# Altium PCB PicoPrint-Alt1.PcbDoc (part 1 of 3) (continued)
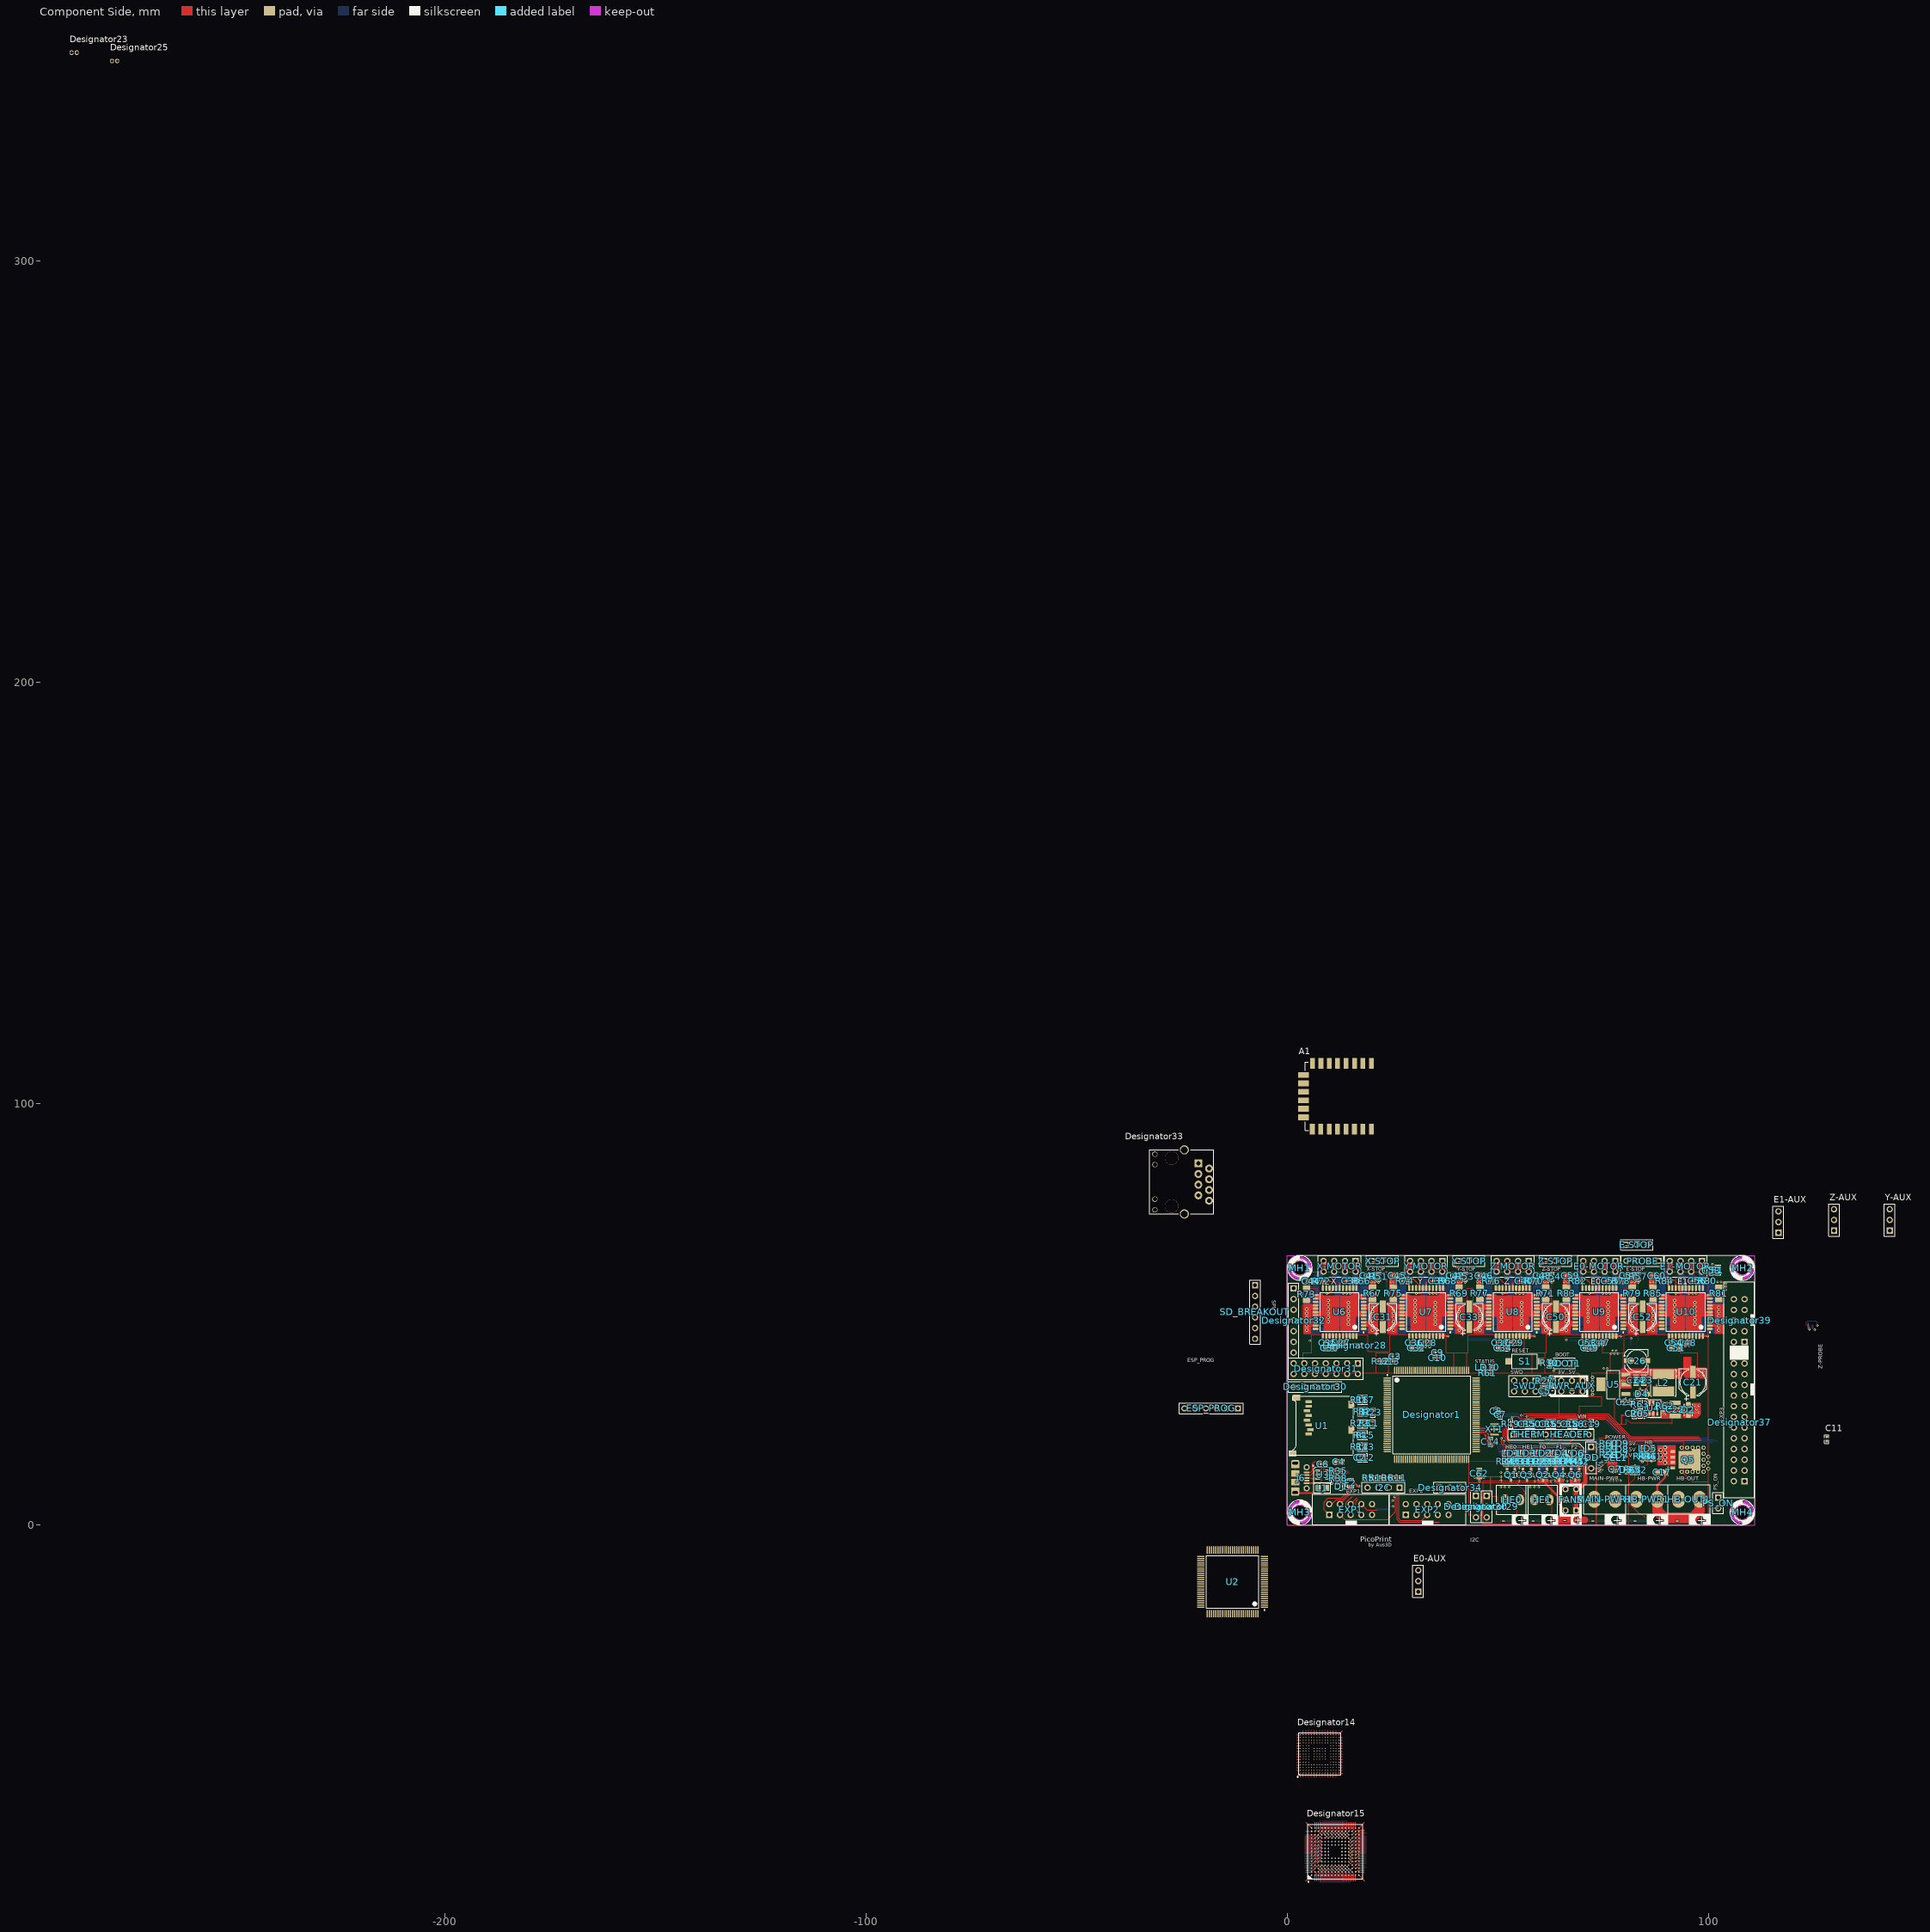
[diagram p0: Component Side view]
## Footprints (in the part's own frame and the unit in brackets; to place one, negate y for a bottom-side part, rotate by r counter-clockwise, add the part's x,y. Pads: shape width x height; smd on the part's side, far side on the other; paste and mask are expansions set on the pad)
"CAP 1005-0402" [mm] "Chip Capacitor, Body 1.0x0.5mm, EIA 0402, IPC Medium Density"
  round 0.2 on Mech15: 0(0,0)
  rrect20% 0.6x0.5 smd: 1(-0.5,0) 2(0.5,0)
  Component Side pour cut-out: -0.325,0.375 -0.2,0.5 0.2,0.5 0.325,0.375 0.325,-0.375 0.2,-0.5 -0.2,-0.5 -0.325,-0.375
  silkscreen extent -1.05,-0.5 1.05,0.5, body extent -0.52,-0.27 0.53,0.28, height 0.55
"Cap 1608-0603" [mm]
  rect 1.1x1 smd: 1(-0.85,0) 2(0.85,0)
  silkscreen extent -1.55,-0.65 1.55,0.65, body extent -0.8,-0.4 0.8,0.4, height 0.4
"CAP 3225-1210" [mm] "Chip Capacitor, Body 3.2x2.5mm, EIA 1210, IPC Medium Density"
  round 0.508 on Mech15: 0(0,0)
  rrect25% 1.15x2.7 smd: 1(-1.5,0) 2(1.5,0)
  silkscreen extent -0.4,-1.3 0.4,1.3, body extent -1.8,-1.4 1.8,1.4, height 2.19
"CAP EL 5mm" [mm]
  rect 1.3x2.5 smd: 1(0,1.88) 2(0,-1.905)
  silkscreen extent -2.72,-2.72 2.72,3.16, body extent -2.75,-3.25 2.75,3.25, height 5.5
"CAP EL PANASONIC" [mil]
  rect 55x118 smd: 1(0,190.97) 2(0,1.97)
  silkscreen extent -128,-31 127,271, body extent -134,-57 134,250, height 217
CAPC2012X135N [mm] "Chip Capacitor, Body 2.0x1.2mm, EIA 0805, IPC Medium Density"
  round 0.254 on Mech15: 0(0,0)
  rrect25% 1x1.4 smd: 1(-0.9,0) 2(0.9,0)
  Component Side pour cut-out: -0.675,0.7 -0.475,0.9 0.475,0.9 0.675,0.7 0.675,-0.7 0.475,-0.9 -0.475,-0.9 -0.675,-0.7
  silkscreen extent -0.15,-0.65 0.15,0.65, body extent -1.1,-0.72 1.1,0.73, height 1.34
"CERALOCK CSTCE_G" [mm]
  rect 0.4x2 smd: 1(-1.2,0) 2(0,0) 3(1.2,0)
  body extent -1.6,-0.65 1.6,0.65, height 0.7
DIOM2616X08N [mm] "Molded Diode, 2-Leads, Body 2.60x1.60mm, IPC Medium Density"
  rrect50% 1.5x1.2 smd: A(1.1,0) K(-1.1,0)
  silkscreen extent -1.4,-1.11 1.4,0.95, body extent -1.35,-0.85 1.35,0.85, height 0.85
"ESP8266 ESP-12-E-SMD" [mil] "ESP8266 ESP-12-E"
  rect 100x45 smd: 1(-653,646) 2(-653,568) 3(-653,489) 4(-653,411) 5(-653,331) 6(-653,253) 7(-653,175) 8(-653,96) 15(-38,95) 16(-38,174) 17(-38,252) 18(-39,331) 19(-39,410) 20(-39,488) 21(-39,568) 22(-39,646)
  rect 55x100 smd: 9(-543,14) 10(-465,14) 11(-387,14) 12(-307,14) 13(-229,14) 14(-149,14)
  silkscreen extent -665,30 -25,60, body extent -658,29 -28,973, height 86
HDR1X2-HEADER [mm]
  rect 1.5x1.5 hole 0.9: 1(0,0)
  round 1.5 hole 0.9: 2(2.54,0)
  silkscreen extent -1.27,-1.27 3.81,1.27, body extent -1.27,-1.27 3.81,1.27, height 8.6
HDR1X3-HEADER [mm]
  rect 1.5x1.5 hole 0.9: 1(0,0)
  round 1.5 hole 0.9: 2(2.54,0) 3(5.08,0)
  silkscreen extent -1.27,-1.27 6.35,1.27, body extent -1.27,-1.27 6.35,1.27, height 8.6
HDR1X4-HEADER [mm]
  rect 1.5x1.5 hole 0.9: 1(0,0)
  round 1.5 hole 0.9: 2(2.54,0) 3(5.08,0) 4(7.62,0)
  silkscreen extent -1.27,-1.27 8.89,1.27, body extent -1.27,-1.27 8.89,1.27, height 8.6
HDR1X5-HEADER [mm]
  rect 1.5x1.5 hole 0.9: 1(0,0)
  round 1.5 hole 0.9: 2(2.54,0) 3(5.08,0) 4(7.62,0) 5(10.16,0)
  silkscreen extent -1.27,-1.27 11.43,1.27, body extent -1.27,-1.27 11.43,1.27, height 8.6
HDR1X6-HEADER [mm]
  rect 1.5x1.5 hole 0.9: 1(0,0)
  round 1.5 hole 0.9: 2(2.54,0) 3(5.08,0) 4(7.62,0) 5(10.16,0) 6(12.7,0)
  silkscreen extent -1.27,-1.27 13.97,1.27, body extent -1.27,-1.27 13.97,1.27, height 8.6
HDR1X7-HEADER [mm]
  rect 1.5x1.5 hole 0.9: 1(0,0)
  round 1.5 hole 0.9: 2(2.54,0) 3(5.08,0) 4(7.62,0) 5(10.16,0) 6(12.7,0) 7(15.24,0)
  silkscreen extent -1.27,-1.27 16.51,1.27, body extent -1.27,-1.27 16.51,1.27, height 8.6
HDR1X8-HEADER [mm]
  rect 1.5x1.5 hole 0.9: 1(0,0)
  round 1.5 hole 0.9: 2(2.54,0) 3(5.08,0) 4(7.62,0) 5(10.16,0) 6(12.7,0) 7(15.24,0) 8(17.78,0)
  silkscreen extent -1.27,-1.27 19.05,1.27, body extent -1.27,-1.27 19.05,1.27, height 8.6
HDR2X3-Header [mm]
  rect 1.5x1.5 hole 0.9: 1(0,0)
  round 1.5 hole 0.9: 2(0,2.54) 3(2.54,0) 4(2.54,2.54) 5(5.08,0) 6(5.08,2.54)
  silkscreen extent -1.27,-1.27 6.35,3.81, body extent -1.27,-1.27 6.35,3.81, height 8.6
HDR2X4-HEADER [mm]
  rect 1.5x1.5 hole 0.9: 1(0,0)
  round 1.5 hole 0.9: 2(0,2.54) 3(2.54,0) 4(2.54,2.54) 5(5.08,0) 6(5.08,2.54) 7(7.62,0) 8(7.62,2.54)
  silkscreen extent -1.27,-1.27 8.89,3.81, body extent -1.27,-1.27 8.89,3.81, height 8.6
"HDR2X5_exp Iner only\" [mm]
  rect 1.5x1.5 hole 0.9: 1(4.004,2.302)
  round 1.5 hole 0.9: 2(4.004,4.842) 3(6.544,2.302) 4(6.544,4.842) 5(9.084,2.302) 6(9.084,4.842) 7(11.624,2.302) 8(11.624,4.842) 9(14.164,2.302) 10(14.164,4.842)
  silkscreen extent 0.09,0.01 18.29,7.21, body extent 2.73,1.03 15.43,6.11, height 8.6
HDR2X7 [mm]
  rect 1.5x1.5 hole 0.9: 1(0,0)
  round 1.5 hole 0.9: 2(0,2.54) 3(2.54,0) 4(2.54,2.54) 5(5.08,0) 6(5.08,2.54) 7(7.62,0) 8(7.62,2.54) 9(10.16,0) 10(10.16,2.54) 11(12.7,0) 12(12.7,2.54) 13(15.24,0) 14(15.24,2.54)
  silkscreen extent -1.27,-1.27 16.51,3.81, body extent -1.27,-1.27 16.51,3.81, height 8.6
HDR2X12-HEADER [mm]
  rect 1.5x1.5 hole 0.9: 1(0,0)
  round 1.5 hole 0.9: 2(0,2.54) 3(2.54,0) 4(2.54,2.54) 5(5.08,0) 6(5.08,2.54) 7(7.62,0) 8(7.62,2.54) 9(10.16,0) 10(10.16,2.54) 11(12.7,0) 12(12.7,2.54) 13(15.24,0) 14(15.24,2.54) 15(17.78,0) 16(17.78,2.54) 17(20.32,0) 18(20.32,2.54) 19(22.86,0) 20(22.86,2.54) 21(25.4,0) 22(25.4,2.54) 23(27.94,0) 24(27.94,2.54)
  silkscreen extent -3.92,-2.29 30.48,4.91, body extent -1.27,-1.27 29.21,3.81, height 8.6
HEADER-1x2-50mil [mm]
  oct 0.9x1.1 hole 0.66: 1(302.26,-308.61) 2(303.53,-308.61)
  body extent 301.63,-309.81 304.17,-307.41, height 5
HEADER-1x3-50mil [mm]
  oct 0.9x1.1 hole 0.66: 1(-1.27,0) 2(0,0) 3(1.27,0)
  body extent -1.9,-1.2 1.91,1.2, height 5
JUMPER-3-NO [mm]
  rect 0.5x1 smd: 1(-0.7,0) 2(0,0) 3(0.7,0)
JUMPER-3-NO-BIG [mm]
  rect 1x1 smd: 1(-1.2,0) 2(0,0) 3(1.2,0)
"LED 1608-0603" [mm]
  round 0.254 on Mech15: 0(0,0)
  rrect25% 0.8x0.8 smd: 1(-0.85,0) 2(0.85,0)
  Component Side pour cut-out: -0.5,0.5 0.5,0.5 0.5,-0.5 -0.5,-0.5
  silkscreen extent -1.55,-0.68 1.68,0.68, body extent -0.8,-0.4 0.8,0.4, height 0.75
LFPACK [mm]
  rect 0.7x1.15 smd: 1(3.81,0) 3(0,0) 3(1.27,0) 3(2.54,0)
  round 1 hole 0.5: 2(-0.953,7.302) 2(-0.953,6.007) 2(-0.953,4.711) 2(-0.953,3.416) 2(-0.953,2.12) 2(0.476,7.302) 2(1.905,7.302) 2(3.333,7.302) 2(4.762,6.007) 2(4.762,7.302) 2(4.762,2.12) 2(4.762,3.416) 2(4.762,4.711)
  rect 4.2x3.2 smd: 2(1.905,3)
  rect 5x2 smd: 2(1.93,5.588)
  body extent -0.58,-0.33 4.42,6.14, height 1.1
M3-Hole-2 [mm]
  round 3.6 hole 3.2: M3(0,0)
  silkscreen extent -2.9,-2.93 2.9,2.93
MAGJACK [mil]
  round 126 hole 126: 1(75,437) 1(525,437)
  rect 74x74 hole 40: 1(125,687)
  round 74 hole 40: 2(175,787) 3(225,687) 4(275,787) 5(325,687) 6(375,787) 7(425,687) 8(475,787)
  round 50 hole 40: 9(40,280) 10(138,280) 11(461,280) 12(560,280)
  round 86 hole 63: M1(0,556) M2(599,556)
  silkscreen extent 0,233 600,831
MICRO-SD [mil]
  rect 28x60 smd: 1(-95,168.9) 2(-52,153.15) 3(-8,168.9) 4(35,184.65) 5(78,168.9) 6(122,184.65) 7(165,168.9) 8(208,168.9)
  rect 71x56 smd: CD1(181,-232.68) CD2(-55,-232.68)
  rect 56x75 smd: MT1(244,283.07) MT2(-276,318.5)
  silkscreen extent -292,-248 260,346, body extent -298,-268 258,331, height 79
"Micro-USB B Molex 105017-0001" [mm]
  round 1.45 hole 0.85: 4(-2.5,0) 5(2.5,0)
  rect 1.5x1.9 smd: 6(-1,-2.7) 7(1,-2.7) SHIELD(-3.05,-2.7) SHIELD(3.05,-2.7)
  rect 0.4x1.35 smd: D+(0,0) D-(-0.65,0) GND(1.3,0) ID(0.65,0) VBUS(-1.3,0)
  rrect50% 1.5x1.9 hole 0.6 slot 1.3 at 90 deg paste+0: SHIELD(-3.5,-2.7) SHIELD(3.5,-2.7)
  body extent -4.1,-5.25 4.1,0.15, height 2.68
OSHW-LOGO-S [mm]
  silkscreen extent -1.49,-1.18 1.5,1.5
"PowerPAK SC-70" [mm]
  rect 0.3x0.35 smd: 1(-0.65,0.925) 1(-0.65,-0.925) 1(0,0.925) 1(0,-0.925) 3(0.65,-0.925) 4(0.65,0.925)
  rect 0.95x1.5 smd: 1(-0.325,0)
  rect 0.235x0.87 smd: 4(0.67,0.04)
  silkscreen extent -1.1,-1.4 -0.5,-0.8, body extent -1.02,-1.02 1.03,1.03, height 0.75
"PTC Fuse1608-0603" [mm]
  rect 0.6x1 smd: 1(-0.7,0) 2(0.7,0)
  silkscreen extent -1.2,-0.67 1.2,0.67, body extent -0.82,-0.42 0.83,0.43, height 0.48
"Res 2012-0805" [mm]
  rect 1.3x1.5 smd: 1(-0.95,0) 2(0.95,0)
  silkscreen extent -2,-1.15 2,1.15, body extent -1,-0.63 1,0.63, height 1.5
"Res 3216-1206" [mm] "Chip Resistor, Body 3.2x1.6mm, EIA 1206, IPC Medium Density"
  round 0.508 on Mech15: 0(0,0)
  rrect25% 1.3x1.8 smd: 1(-1.45,0) 2(1.45,0)
  silkscreen extent -0.51,-0.89 0.51,0.89, body extent -1.62,-0.82 1.63,0.83, height 0.69
RESC1005X40N [mm] "Chip Resistor, Body 1.0x0.5mm, EIA 0402, IPC Medium Density"
  round 0.2 on Mech15: 0(0,0)
  rrect20% 0.6x0.6 smd: 1(-0.5,0) 2(0.5,0)
  Component Side pour cut-out: -0.325,0.375 -0.2,0.5 0.2,0.5 0.325,0.375 0.325,-0.375 0.2,-0.5 -0.2,-0.5 -0.325,-0.375
  silkscreen extent -1.05,-0.55 1.05,0.55, body extent -0.52,-0.27 0.53,0.28, height 0.4
SC-85 [mm] "SMini3-F2-B"
  round 0.508 on Mech15: 0(0,0)
  rrect50% 0.6x0.8 smd: 1(-0.65,-0.95) 2(0.65,-0.95) 3(0,0.95)
  silkscreen extent -1,-0.4 1,0.4, body extent -1,-0.7 1,0.7, height 0.9
SOD523 [mm] "SOD-523; 2 Leads; Body 1.2 x 0.8 mm, (LxW)"
  round 0.508 on Mech15: 0(0,0)
  rrect20% 0.6x0.8 smd: A(0.85,0) K(-0.85,0)
  Component Side pour cut-out: -0.725,-0.25 -0.725,0.25 -0.525,0.45 0.525,0.45 0.725,0.25 0.725,-0.25 0.525,-0.45 -0.525,-0.45
  silkscreen extent -0.25,-0.51 0.45,0.51, body extent -0.85,-0.45 0.85,0.45, height 0.7
"SOT23-3 New" [mm] "SOT23, 3 pin"
  round 0.5 on Mech15: 0(0,0)
  rrect25% 1x0.6 smd: 1(-1.15,0.95) 2(-1.15,-0.95) 3(1.15,0)
  silkscreen extent -0.38,-1.45 0.38,1.45, body extent -1.4,-1.45 1.4,1.45, height 1.29
SOT23-6N [mm]
  rect 1.15x0.6 smd: 1(-1.175,0.95) 2(-1.175,0) 3(-1.175,-0.95) 4(1.175,-0.95) 5(1.2,0) 6(1.2,0.95)
  silkscreen extent -2.37,-1.82 2.1,2.25, body extent -0.85,-1.5 0.85,1.5, height 1.45
SOT229P700X180-4N [mm] "SOT223, 4-Leads, Body 6.50x7.00mm (avg), Pitch 2.29mm, IPC Medium Density"
  rect 2.15x0.9 smd: GND(-2.925,2.29) Vin(-2.925,-2.29) Vout(-2.925,0)
  rect 2.15x3.25 smd: Vout(2.925,0)
  silkscreen extent -3.05,-3.35 1.55,3.41, body extent -3.5,-3.35 3.5,3.35, height 1.8
"SRN6045TA SMD Inductor" [mm]
  rect 5.1x2.35 smd: 1(0,2.075) 2(0,-2.075)
  silkscreen extent -3.05,-3.15 3.05,3.15, body extent -3,-3 3,3, height 4.25
STM-LQFP100_N [mm] "Thin QFP, 100-Leads, Body 14x14mm, Pitch 0.5mm, IPC Medium Density"
  oval 1.8x0.3 smd: 1(-7.55,6) 2(-7.55,5.5) 3(-7.55,5) 4(-7.55,4.5) 5(-7.55,4) 6(-7.55,3.5) 7(-7.55,3) 8(-7.55,2.5) 9(-7.55,2) 10(-7.55,1.5) 11(-7.55,1) 12(-7.55,0.5) 13(-7.55,0) 14(-7.55,-0.5) 15(-7.55,-1) 16(-7.55,-1.5) 17(-7.55,-2) 18(-7.55,-2.5) 19(-7.55,-3) 20(-7.55,-3.5) 21(-7.55,-4) 22(-7.55,-4.5) 23(-7.55,-5) 24(-7.55,-5.5) 25(-7.55,-6) 51(7.55,-6) 52(7.55,-5.5) 53(7.55,-5) 54(7.55,-4.5) 55(7.55,-4) 56(7.55,-3.5) 57(7.55,-3) 58(7.55,-2.5) 59(7.55,-2) 60(7.55,-1.5) 61(7.55,-1) 62(7.55,-0.5) 63(7.55,0) 64(7.55,0.5) 65(7.55,1) 66(7.55,1.5) 67(7.55,2) 68(7.55,2.5) 69(7.55,3) 70(7.55,3.5) 71(7.55,4) 72(7.55,4.5) 73(7.55,5) 74(7.55,5.5) 75(7.55,6)
  oval 0.3x1.8 smd: 26(-6,-7.55) 27(-5.5,-7.55) 28(-5,-7.55) 29(-4.5,-7.55) 30(-4,-7.55) 31(-3.5,-7.55) 32(-3,-7.55) 33(-2.5,-7.55) 34(-2,-7.55) 35(-1.5,-7.55) 36(-1,-7.55) 37(-0.5,-7.55) 38(0,-7.55) 39(0.5,-7.55) 40(1,-7.55) 41(1.5,-7.55) 42(2,-7.55) 43(2.5,-7.55) 44(3,-7.55) 45(3.5,-7.55) 46(4,-7.55) 47(4.5,-7.55) 48(5,-7.55) 49(5.5,-7.55) 50(6,-7.55) 76(6,7.55) 77(5.5,7.55) 78(5,7.55) 79(4.5,7.55) 80(4,7.55) 81(3.5,7.55) 82(3,7.55) 83(2.5,7.55) 84(2,7.55) 85(1.5,7.55) 86(1,7.55) 87(0.5,7.55) 88(0,7.55) 89(-0.5,7.55) 90(-1,7.55) 91(-1.5,7.55) 92(-2,7.55) 93(-2.5,7.55) 94(-3,7.55) 95(-3.5,7.55) 96(-4,7.55) 97(-4.5,7.55) 98(-5,7.55) 99(-5.5,7.55) 100(-6,7.55)
  silkscreen extent -7.68,-6.25 6.25,6.82, body extent -7.98,-8.03 8.02,7.97, height 1.11
STM-LQFP144_N [mm] "Thin QFP, 144-Leads, Body 20x20mm, Pitch 0.5mm, IPC Medium Density"
  oval 1.8x0.3 smd: 1(-10.55,8.75) 2(-10.55,8.25) 3(-10.55,7.75) 4(-10.55,7.25) 5(-10.55,6.75) 6(-10.55,6.25) 7(-10.55,5.75) 8(-10.55,5.25) 9(-10.55,4.75) 10(-10.55,4.25) 11(-10.55,3.75) 12(-10.55,3.25) 13(-10.55,2.75) 14(-10.55,2.25) 15(-10.55,1.75) 16(-10.55,1.25) 17(-10.55,0.75) 18(-10.55,0.25) 19(-10.55,-0.25) 20(-10.55,-0.75) 21(-10.55,-1.25) 22(-10.55,-1.75) 23(-10.55,-2.25) 24(-10.55,-2.75) 25(-10.55,-3.25) 26(-10.55,-3.75) 27(-10.55,-4.25) 28(-10.55,-4.75) 29(-10.55,-5.25) 30(-10.55,-5.75) 31(-10.55,-6.25) 32(-10.55,-6.75) 33(-10.55,-7.25) 34(-10.55,-7.75) 35(-10.55,-8.25) 36(-10.55,-8.75) 73(10.55,-8.75) 74(10.55,-8.25) 75(10.55,-7.75) 76(10.55,-7.25) 77(10.55,-6.75) 78(10.55,-6.25) 79(10.55,-5.75) 80(10.55,-5.25) 81(10.55,-4.75) 82(10.55,-4.25) 83(10.55,-3.75) 84(10.55,-3.25) 85(10.55,-2.75) 86(10.55,-2.25) 87(10.55,-1.75) 88(10.55,-1.25) 89(10.55,-0.75) 90(10.55,-0.25) 91(10.55,0.25) 92(10.55,0.75) 93(10.55,1.25) 94(10.55,1.75) 95(10.55,2.25) 96(10.55,2.75) 97(10.55,3.25) 98(10.55,3.75) 99(10.55,4.25) 100(10.55,4.75) 101(10.55,5.25) 102(10.55,5.75) 103(10.55,6.25) 104(10.55,6.75) 105(10.55,7.25) 106(10.55,7.75) 107(10.55,8.25) 108(10.55,8.75)
  oval 0.3x1.8 smd: 37(-8.75,-10.55) 38(-8.25,-10.55) 39(-7.75,-10.55) 40(-7.25,-10.55) 41(-6.75,-10.55) 42(-6.25,-10.55) 43(-5.75,-10.55) 44(-5.25,-10.55) 45(-4.75,-10.55) 46(-4.25,-10.55) 47(-3.75,-10.55) 48(-3.25,-10.55) 49(-2.75,-10.55) 50(-2.25,-10.55) 51(-1.75,-10.55) 52(-1.25,-10.55) 53(-0.75,-10.55) 54(-0.25,-10.55) 55(0.25,-10.55) 56(0.75,-10.55) 57(1.25,-10.55) 58(1.75,-10.55) 59(2.25,-10.55) 60(2.75,-10.55) 61(3.25,-10.55) 62(3.75,-10.55) 63(4.25,-10.55) 64(4.75,-10.55) 65(5.25,-10.55) 66(5.75,-10.55) 67(6.25,-10.55) 68(6.75,-10.55) 69(7.25,-10.55) 70(7.75,-10.55) 71(8.25,-10.55) 72(8.75,-10.55) 109(8.75,10.55) 110(8.25,10.55) 111(7.75,10.55) 112(7.25,10.55) 113(6.75,10.55) 114(6.25,10.55) 115(5.75,10.55) 116(5.25,10.55) 117(4.75,10.55) 118(4.25,10.55) 119(3.75,10.55) 120(3.25,10.55) 121(2.75,10.55) 122(2.25,10.55) 123(1.75,10.55) 124(1.25,10.55) 125(0.75,10.55) 126(0.25,10.55) 127(-0.25,10.55) 128(-0.75,10.55) 129(-1.25,10.55) 130(-1.75,10.55) 131(-2.25,10.55) 132(-2.75,10.55) 133(-3.25,10.55) 134(-3.75,10.55) 135(-4.25,10.55) 136(-4.75,10.55) 137(-5.25,10.55) 138(-5.75,10.55) 139(-6.25,10.55) 140(-6.75,10.55) 141(-7.25,10.55) 142(-7.75,10.55) 143(-8.25,10.55) 144(-8.75,10.55)
  silkscreen extent -10.67,-9.25 9.25,9.57, body extent -10,-10 10,10, height 1.6
STM-TFBGA216 [mm] "BGA, 216-Balls, Body 13x13mm, Pitch 0.8mm"
  round 0.35 smd: A1(-5.6,5.6) A2(-4.8,5.6) A3(-4,5.6) A4(-3.2,5.6) A5(-2.4,5.6) A6(-1.6,5.6) A7(-0.8,5.6) A8(0,5.6) A9(0.8,5.6) A10(1.6,5.6) A11(2.4,5.6) A12(3.2,5.6) A13(4,5.6) A14(4.8,5.6) A15(5.6,5.6) B1(-5.6,4.8) B2(-4.8,4.8) B3(-4,4.8) B4(-3.2,4.8) B5(-2.4,4.8) B6(-1.6,4.8) B7(-0.8,4.8) B8(0,4.8) B9(0.8,4.8) B10(1.6,4.8) B11(2.4,4.8) B12(3.2,4.8) B13(4,4.8) B14(4.8,4.8) B15(5.6,4.8) C1(-5.6,4) C2(-4.8,4) C3(-4,4) C4(-3.2,4) C5(-2.4,4) C6(-1.6,4) C7(-0.8,4) C8(0,4) C9(0.8,4) C10(1.6,4) C11(2.4,4) C12(3.2,4) C13(4,4) C14(4.8,4) C15(5.6,4) D1(-5.6,3.2) D2(-4.8,3.2) D3(-4,3.2) D4(-3.2,3.2) D5(-2.4,3.2) D6(-1.6,3.2) D7(-0.8,3.2) D8(0,3.2) D9(0.8,3.2) D10(1.6,3.2) D11(2.4,3.2) D12(3.2,3.2) D13(4,3.2) D14(4.8,3.2) D15(5.6,3.2) E1(-5.6,2.4) E2(-4.8,2.4) E3(-4,2.4) E4(-3.2,2.4) E5(-2.4,2.4) E6(-1.6,2.4) E7(-0.8,2.4) E8(0,2.4) E9(0.8,2.4) E10(1.6,2.4) E11(2.4,2.4) E12(3.2,2.4) E13(4,2.4) E14(4.8,2.4) E15(5.6,2.4) F1(-5.6,1.6) F2(-4.8,1.6) F3(-4,1.6) F4(-3.2,1.6) F5(-2.4,1.6) F6(-1.6,1.6) F7(-0.8,1.6) F8(0,1.6) F9(0.8,1.6) F10(1.6,1.6) F11(2.4,1.6) F12(3.2,1.6) F13(4,1.6) F14(4.8,1.6) F15(5.6,1.6) G1(-5.6,0.8) G2(-4.8,0.8) G3(-4,0.8) G4(-3.2,0.8) G5(-2.4,0.8) G6(-1.6,0.8) G10(1.6,0.8) G11(2.4,0.8) G12(3.2,0.8) G13(4,0.8) G14(4.8,0.8) G15(5.6,0.8) H1(-5.6,0) H2(-4.8,0) H3(-4,0) H4(-3.2,0) H5(-2.4,0) H6(-1.6,0) H10(1.6,0) H11(2.4,0) H12(3.2,0) H13(4,0) H14(4.8,0) H15(5.6,0) J1(-5.6,-0.8) J2(-4.8,-0.8) J3(-4,-0.8) J4(-3.2,-0.8) J5(-2.4,-0.8) J6(-1.6,-0.8) J10(1.6,-0.8) J11(2.4,-0.8) J12(3.2,-0.8) J13(4,-0.8) J14(4.8,-0.8) J15(5.6,-0.8) K1(-5.6,-1.6) K2(-4.8,-1.6) K3(-4,-1.6) K4(-3.2,-1.6) K5(-2.4,-1.6) K6(-1.6,-1.6) K7(-0.8,-1.6) K8(0,-1.6) K9(0.8,-1.6) K10(1.6,-1.6) K11(2.4,-1.6) K12(3.2,-1.6) K13(4,-1.6) K14(4.8,-1.6) K15(5.6,-1.6) L1(-5.6,-2.4) L2(-4.8,-2.4) L3(-4,-2.4) L4(-3.2,-2.4) L5(-2.4,-2.4) L6(-1.6,-2.4) L7(-0.8,-2.4) L8(0,-2.4) L9(0.8,-2.4) L10(1.6,-2.4) L11(2.4,-2.4) L12(3.2,-2.4) L13(4,-2.4) L14(4.8,-2.4) L15(5.6,-2.4) M1(-5.6,-3.2) M2(-4.8,-3.2) M3(-4,-3.2) M4(-3.2,-3.2) M5(-2.4,-3.2) M6(-1.6,-3.2) M7(-0.8,-3.2) M8(0,-3.2) M9(0.8,-3.2) M10(1.6,-3.2) M11(2.4,-3.2) M12(3.2,-3.2) M13(4,-3.2) M14(4.8,-3.2) M15(5.6,-3.2) N1(-5.6,-4) N2(-4.8,-4) N3(-4,-4) N4(-3.2,-4) N5(-2.4,-4) N6(-1.6,-4) N7(-0.8,-4) N8(0,-4) N9(0.8,-4) N10(1.6,-4) N11(2.4,-4) N12(3.2,-4) N13(4,-4) N14(4.8,-4) N15(5.6,-4) P1(-5.6,-4.8) P2(-4.8,-4.8) P3(-4,-4.8) P4(-3.2,-4.8) P5(-2.4,-4.8) P6(-1.6,-4.8) P7(-0.8,-4.8) P8(0,-4.8) P9(0.8,-4.8) P10(1.6,-4.8) P11(2.4,-4.8) P12(3.2,-4.8) P13(4,-4.8) P14(4.8,-4.8) P15(5.6,-4.8) R1(-5.6,-5.6) R2(-4.8,-5.6) R3(-4,-5.6) R4(-3.2,-5.6) R5(-2.4,-5.6) R6(-1.6,-5.6) R7(-0.8,-5.6) R8(0,-5.6) R9(0.8,-5.6) R10(1.6,-5.6) R11(2.4,-5.6) R12(3.2,-5.6) R13(4,-5.6) R14(4.8,-5.6) R15(5.6,-5.6)
  silkscreen extent -7.27,-6.5 6.5,6.5, body extent -6.5,-6.5 6.5,6.5, height 1.1
STM-UFBGA176+25 [mm] "BGA, 201-Balls, Body 10x10mm, Pitch 0.65mm"
  round 0.2 smd: A1(-4.55,4.55) A2(-3.9,4.55) A3(-3.25,4.55) A4(-2.6,4.55) A5(-1.95,4.55) A6(-1.3,4.55) A7(-0.65,4.55) A8(0,4.55) A9(0.65,4.55) A10(1.3,4.55) A11(1.95,4.55) A12(2.6,4.55) A13(3.25,4.55) A14(3.9,4.55) A15(4.55,4.55) B1(-4.55,3.9) B2(-3.9,3.9) B3(-3.25,3.9) B4(-2.6,3.9) B5(-1.95,3.9) B6(-1.3,3.9) B7(-0.65,3.9) B8(0,3.9) B9(0.65,3.9) B10(1.3,3.9) B11(1.95,3.9) B12(2.6,3.9) B13(3.25,3.9) B14(3.9,3.9) B15(4.55,3.9) C1(-4.55,3.25) C2(-3.9,3.25) C3(-3.25,3.25) C4(-2.6,3.25) C5(-1.95,3.25) C6(-1.3,3.25) C7(-0.65,3.25) C8(0,3.25) C9(0.65,3.25) C10(1.3,3.25) C11(1.95,3.25) C12(2.6,3.25) C13(3.25,3.25) C14(3.9,3.25) C15(4.55,3.25) D1(-4.55,2.6) D2(-3.9,2.6) D3(-3.25,2.6) D4(-2.6,2.6) D5(-1.95,2.6) D6(-1.3,2.6) D7(-0.65,2.6) D8(0,2.6) D9(0.65,2.6) D10(1.3,2.6) D11(1.95,2.6) D12(2.6,2.6) D13(3.25,2.6) D14(3.9,2.6) D15(4.55,2.6) E1(-4.55,1.95) E2(-3.9,1.95) E3(-3.25,1.95) E4(-2.6,1.95) E12(2.6,1.95) E13(3.25,1.95) E14(3.9,1.95) E15(4.55,1.95) F1(-4.55,1.3) F2(-3.9,1.3) F3(-3.25,1.3) F4(-2.6,1.3) F6(-1.3,1.3) F7(-0.65,1.3) F8(0,1.3) F9(0.65,1.3) F10(1.3,1.3) F12(2.6,1.3) F13(3.25,1.3) F14(3.9,1.3) F15(4.55,1.3) G1(-4.55,0.65) G2(-3.9,0.65) G3(-3.25,0.65) G4(-2.6,0.65) G6(-1.3,0.65) G7(-0.65,0.65) G8(0,0.65) G9(0.65,0.65) G10(1.3,0.65) G12(2.6,0.65) G13(3.25,0.65) G14(3.9,0.65) G15(4.55,0.65) H1(-4.55,0) H2(-3.9,0) H3(-3.25,0) H4(-2.6,0) H6(-1.3,0) H7(-0.65,0) H8(0,0) H9(0.65,0) H10(1.3,0) H12(2.6,0) H13(3.25,0) H14(3.9,0) H15(4.55,0) J1(-4.55,-0.65) J2(-3.9,-0.65) J3(-3.25,-0.65) J4(-2.6,-0.65) J6(-1.3,-0.65) J7(-0.65,-0.65) J8(0,-0.65) J9(0.65,-0.65) J10(1.3,-0.65) J12(2.6,-0.65) J13(3.25,-0.65) J14(3.9,-0.65) J15(4.55,-0.65) K1(-4.55,-1.3) K2(-3.9,-1.3) K3(-3.25,-1.3) K4(-2.6,-1.3) K6(-1.3,-1.3) K7(-0.65,-1.3) K8(0,-1.3) K9(0.65,-1.3) K10(1.3,-1.3) K12(2.6,-1.3) K13(3.25,-1.3) K14(3.9,-1.3) K15(4.55,-1.3) L1(-4.55,-1.95) L2(-3.9,-1.95) L3(-3.25,-1.95) L4(-2.6,-1.95) L12(2.6,-1.95) L13(3.25,-1.95) L14(3.9,-1.95) L15(4.55,-1.95) M1(-4.55,-2.6) M2(-3.9,-2.6) M3(-3.25,-2.6) M4(-2.6,-2.6) M5(-1.95,-2.6) M6(-1.3,-2.6) M7(-0.65,-2.6) M8(0,-2.6) M9(0.65,-2.6) M10(1.3,-2.6) M11(1.95,-2.6) M12(2.6,-2.6) M13(3.25,-2.6) M14(3.9,-2.6) M15(4.55,-2.6) N1(-4.55,-3.25) N2(-3.9,-3.25) N3(-3.25,-3.25) N4(-2.6,-3.25) N5(-1.95,-3.25) N6(-1.3,-3.25) N7(-0.65,-3.25) N8(0,-3.25) N9(0.65,-3.25) N10(1.3,-3.25) N11(1.95,-3.25) N12(2.6,-3.25) N13(3.25,-3.25) N14(3.9,-3.25) N15(4.55,-3.25) P1(-4.55,-3.9) P2(-3.9,-3.9) P3(-3.25,-3.9) P4(-2.6,-3.9) P5(-1.95,-3.9) P6(-1.3,-3.9) P7(-0.65,-3.9) P8(0,-3.9) P9(0.65,-3.9) P10(1.3,-3.9) P11(1.95,-3.9) P12(2.6,-3.9) P13(3.25,-3.9) P14(3.9,-3.9) P15(4.55,-3.9) R1(-4.55,-4.55) R2(-3.9,-4.55) R3(-3.25,-4.55) R4(-2.6,-4.55) R5(-1.95,-4.55) R6(-1.3,-4.55) R7(-0.65,-4.55) R8(0,-4.55) R9(0.65,-4.55) R10(1.3,-4.55) R11(1.95,-4.55) R12(2.6,-4.55) R13(3.25,-4.55) R14(3.9,-4.55) R15(4.55,-4.55)
  silkscreen extent -5.55,-5 5,5.32, body extent -5,-5 5,5, height 0.6
"SW-PB SMD 2pin" [mm]
  rect 1.5x1.5 smd: 1(-3.85,0) 2(3.85,0)
  silkscreen extent -3,-1.75 3,1.75
"TERM2 3.5mm" [mm]
  oval 2x2.6 hole 1: 1(0,0) 2(3.5,0)
  silkscreen extent -2,-3.5 5.5,3.5, body extent -1.8,-3.79 5.31,3.5, height 8.51
"TERM2 5MM" [mm]
  oval 3x4 hole 1.2: 1(0,0) 2(5,0)
  silkscreen extent -2.5,-3.5 7.5,3.5, body extent -2.8,-5 7.5,5.2, height 14.3
TQFP80P1200X1200X160-44N [mm] "TQFP, 44-Leads, Body 10.00x10.00mm, Pitch 0.80mm, IPC Medium Density"
  oval 1.4x0.55 smd: 1(-5.7,4) 2(-5.7,3.2) 3(-5.7,2.4) 4(-5.7,1.6) 5(-5.7,0.8) 6(-5.7,0) 7(-5.7,-0.8) 8(-5.7,-1.6) 9(-5.7,-2.4) 10(-5.7,-3.2) 11(-5.7,-4) 23(5.7,-4) 24(5.7,-3.2) 25(5.7,-2.4) 26(5.7,-1.6) 27(5.7,-0.8) 28(5.7,0) 29(5.7,0.8) 30(5.7,1.6) 31(5.7,2.4) 32(5.7,3.2) 33(5.7,4)
  oval 0.55x1.4 smd: 12(-4,-5.7) 13(-3.2,-5.7) 14(-2.4,-5.7) 15(-1.6,-5.7) 16(-0.8,-5.7) 17(0,-5.7) 18(0.8,-5.7) 19(1.6,-5.7) 20(2.4,-5.7) 21(3.2,-5.7) 22(4,-5.7) 34(4,5.7) 35(3.2,5.7) 36(2.4,5.7) 37(1.6,5.7) 38(0.8,5.7) 39(0,5.7) 40(-0.8,5.7) 41(-1.6,5.7) 42(-2.4,5.7) 43(-3.2,5.7) 44(-4,5.7)
  silkscreen extent -5.82,-4.6 4.6,4.95, body extent -6,-6 6,6, height 1.1

## Part data
BOOT1 PS_ON: "Header, 2-Pin"
C1 C2 C3 C4 C5 C6 C7 C8 C9 C10 C11 C12 C13 C14 C15 C16 C17 C18 C19 C20 C22 C23 C24 C25 C27 C28 C29 C30 C32 C34 C35 C36 C37 C38 C39 C40 C41 C42 C43 C44 C45 C46 C47 C48 C49 C51 C53 C54 C55 C56 C57 C58 C59 C60 C62: "Capacitor (Semiconductor SIM Model)"
C21 C26 C31 C33 C50 C52: "Polarized Capacitor (Surface Mount)"
D1 D2 D3 D4: "Default Diode"
E0-AUX E1-AUX E-STOP FAN_VDD_SEL1 X-STOP Y-AUX Y-STOP Z-AUX Z-STOP: "Header, 3-Pin"
E0-MOTOR E1-MOTOR X-MOTOR Y-MOTOR Z-MOTOR: "Header, 4-Pin, Dual row"
ESP_PROG SD_BREAKOUT: library part "Header 6x1", "Header, 6-Pin"
EXP1 EXP2: "Header, 5-Pin, Dual row"
F1 F2: library part "Fuse - 15V 200mA Trip PTC SMD 0603", "Fuse - 15V 200mA Trip PTC SMD 0603"
FANS: library part "Header 3x2_MULTI", "Header, 6-Pin"
HB-OUT1 HB-PWR1 MAIN-PWR1: library part ScrewTerminal-5mm-2Way
HE0 HE1: library part ScrewTerminal-3.5mm-2Way
I2C PROBE: "Header, 4-Pin"
J1 J2 J9: library part JUMP3-NO, "SMD jumper"
L1 L2: "MagneticCore Inductor with Winding Polarity Marking"
LD1 LD2 LD3 LD4 LD5 LD6 LD7 LD8 LD9: library part "LEDG  0603", "Hyper-Bright LED"
LD10: library part "LEDY  0603", "Hyper-Bright LED"
PWR_AUX SWD: "Header, 3-Pin, Dual row"
Q1 Q2 Q3 Q4 Q6: "N-CH MOSFET 30V 5.7A SOT23"
Q5: library part "MOSFET - PSMN1R8-40YLC", "N-CH MOSFET 40V 100A LFPAK"
Q7: library part "MOSFET - SIA453EDJ-T1-GE3", "MOSFET SMD P-CH 30V 24A PowerPAK SC-70-6"
R1 R2 R3 R4 R5 R6 R10 R11 R12 R13 R14 R15 R16 R17 R21 R22 R23 R24 R25 R26 R27 R28 R29 R30 R31 R32 R33 R34 R35 R36 R37 R38 R41 R42 R43 R44 R45 R46 R49 R50 R51 R52 R53 R54 R55 R56 R57 R58 R59 R60 R61 R62 R63 R64 R65 R66 R67 R68 R69 R70 R71 R72 R73 R74 R75 R76 R77 R78 R79 R80 R81 R82 R83 R84 R85: "Resistor"
S1: library part SW-PB, "SMD Button"
THERM_HEADER: library part "Header 8x1_MULTI", "Header, 8-Pin"
U1: "MicroSD Card Socket"
U2: "ARM Cortex-M4 32-bit MCU+FPU, 210 DMIPS, 512 kB Flash, 128 kB Internal RAM, 81 I/Os, 100-pin LQFP, -40 to 105 degC, Tray"
U3: "ESD Protection IC"
U4: library part "Regulator - AOZ1282CI Buck Regulator", "Buck Regulator"
U5: library part "Regulator - AP2114 3.3V Linear Regulator", "3.3V LDO Regulator"
U6 U7 U8 U9 U10: "Stepper Driver IC"
XT1: "Ceramic Resonator"

## Via types
v1: diameter 0.6, hole 0.3, Component Side to Solder Side, tented both sides, 208 vias
v2: diameter 0.8, hole 0.4, Component Side to Solder Side, tented both sides, 130 vias
v3: diameter 0.4, hole 0.2, Component Side to Solder Side, 72 vias
v4: diameter 1, hole 0.5, Component Side to Solder Side, tented both sides, 10 vias

## Nets (pads, with @x,y where several pads share a name; then routed paths per layer and width w, separated by ;. In a path a pad name is that pad's centre, name@x,y a point inside that pad or via, vN(x,y) a via of type N, cw(c..) or ccw(c..) an arc to the next point about the centre after c; other vN are vias at no path point)
+3V3: A1.8 BOOT1.1 C1.2 C4.2 C7.2 C8.2 C9.2 C10.2 C11.2 C12.2 C13.2 C14.2 C25.2 C26.1 C27.2 C28.2 C29.2 C47.2 C48.2 C62.2 ESP_PROG.1 J1.1 J9.1 PWR_AUX.5 R1.2 R2.2 R3.2 R5.2 R6.2 R12.2 R13.2 R14.2 R15.2 R27.2 R49.2 R50.2 R55.2 R56.2 R60.2 SD_BREAKOUT.1 SWD.1 U1.4 U2.6 U2.11 U2.19 U2.21 U2.22 U2.28 U2.50 U2.75 U2.100 U5.Vout U6.40 U7.40 U8.40 U9.40 U10.40 | length 33.7
  Component Side w0.2: SWD.1@58.943,34.266 60.103,34.266 60.475,34.638 R27.2@61.1,34.638 R27.2@61.2,34.638 ; U5.Vout@80.346,33.195 U5.Vout@80.346,33.36
  Component Side w0.25: R60.2@75.821,19.38 75.821,21.379
  Component Side w0.3: C13.2@24.058,38.864 v1(24.058,39.454) v1@24.058,39.464 ; C9.2@35.19,40.82 C9.2@35.24,40.87 ; C10.2@35.208,39.72 35.49,39.438 ; v1(44.544,11.3) C62.2@45.6,11.3 ; v1(45.6,10.444) C62.2@45.6,11.3 ; 45.84,21.96 47.36,21.96 47.69,21.63 47.69,20.84 ; v1(46.65,11.3) C62.2@45.6,11.3 ; 47.75,20.78 C14.2@48.21,20.32
  Component Side w0.4: U9.40@74.88,44.845 U9.40@74.88,44.854
  Component Side w0.5: U6.40@13.246,44.845 13.246,43.324 C27.2@13.327,43.243 ; v2(13.3,42.4) C27.2@13.3,43.216 ; U7.40@33.788,44.845 33.788,43.324 C28.2@33.869,43.243 ; v2(33.842,42.4) C28.2@33.842,43.216 ; R49.2@52.99,24.5 v1(53.857,24.5) ; U8.40@54.33,44.845 54.33,43.324 C29.2@54.411,43.243 55.073,43.243 v1(55.1,43.27) ; R50.2@58.181,24.453 58.134,24.5 v1(59,24.5) ; R55.2@63.295,24.5 v1(64,24.5) ; R56.2@68.294,24.5 69.3,24.5 v1(69.5,24.3) ; U9.40@74.872,44.845 74.872,43.324 C47.2@74.953,43.243 ; v1(74.926,42.6) C47.2@74.926,43.216 ; C25.2@79.8,29.114 v1(79.8,29.714) ; U10.40@95.414,44.845 95.414,43.324 C48.2@95.495,43.243 ; v1@95.468,42.4 v1(95.468,42.45) C48.2@95.468,43.216
  Solder Side w0.25: J9.1@123.238,47.292 123.238,48.092 123.588,48.442 125.338,48.442 125.788,47.992 v1(125.788,47.392)
  Solder Side w0.3: J1.1@24.2,5.118 24.318,5.118 v1(25,5.8)
  other v1: 79.65,34.264 80.45,34.264 81.25,34.264 35.208,40.29
  other v2: 72.5,31 72.5,32 72.5,33 72.5,34 72.5,35
+5V: C23.2 C24.2 EXP1.10 F2.1 FAN_VDD_SEL1.1 J1.3 J2.1 J9.3 L2.2 PWR_AUX.3 R59.2 R63.2 U5.Vin | length 114.4
  Component Side w0.2: FAN_VDD_SEL1.1@72.458,18.542 FAN_VDD_SEL1.1@72.151,18.542 73.158,18.542 73.72,17.98 R59.2@75.821,17.98 ; R63.2@83.793,29.034 R63.2@83.793,29.134 83.793,29.707 84.102,30.016 84.102,31.623 84.1,31.626 84.489,32.014 84.725,32.014 85.9,33.189 85.9,34.914
  Component Side w0.5: F2.1@14.95,10.6 15.35,10.6 16.7,9.25 v1(17.05,9.25) ; EXP1.10@20.133,4.95 EXP1.10@20.133,5.167
  Power Plane w0.5: v1@17.05,9.3 v1(17.05,9.25) 17.05,8.033 EXP1.10@20.133,4.95 24.183,0.9 40.7,0.9 ; 49.73,2.93 49.73,13.7 ; 50.35,14.32 62.22,14.32 64.9,17 70.609,17 FAN_VDD_SEL1.1@72.151,18.542 73.509,19.9 75.22,19.9 76.47,21.15 ; v1(75.15,37.164) v1(75.9,37.164) 76.47,36.594 76.47,25.364 ; v1(93.192,35.914) 94.592,37.314 98.1,37.314 ; 98.7,37.914 98.1,37.314 ; 99.8,37.314 98.1,37.314
  Solder Side w0.4: EXP1.10@20.133,4.95 21.347,3.735 J1.3@24.2,3.735
  Solder Side w0.5: J9.3@124.638,47.292 J9.3@124.638,46.892 ; J9.3@124.688,46.803 124.638,46.853 J9.3@124.638,46.892 ; v1(125.188,46.342) J9.3@124.638,46.892
  Solder Side w1: J2.1@70.32,17.12 70.729,17.12 FAN_VDD_SEL1.1@72.151,18.542 ; 79.9,37.114 80.9,36.114 ; 83.7,35.314 83.7,35.914 v1(85.4,35.914)
  other v1: 86,35.214 92.592,35.214 86,36.614 92.592,36.614
+ES_VDD: E-STOP.3 F1.2 PROBE.1 X-STOP.3 Y-STOP.3 Z-STOP.3 | length 72.7
  Power Plane w0.4: 28.2,61.4 60.95,61.4 ; Z-STOP.3@66.95,62.668 66.95,61.41 66.96,61.4 85.506,61.4 ; PROBE.1@87.492,62.668 PROBE.1@87.506,62.654 ; 87.506,61.4 90.042,58.864 99.158,58.864 102.968,55.054 103.936,55.054
  Power Plane w0.5: 46.408,61.608 Y-STOP.3@46.408,62.668
+VFAN: FAN_VDD_SEL1.2 FANS.1 FANS.3 FANS.5 J2.2 | length 16.4
  Component Side w1: FANS.1@68.595,3.429 FANS.3@68.595,5.969 FANS.5@68.595,8.509 69.074,8.509 70.7,10.135 70.7,14.85 71.852,16.002 FAN_VDD_SEL1.2@72.151,16.002
  Solder Side w1: J2.2@70.32,15.92 72.069,15.92 FAN_VDD_SEL1.2@72.151,16.002
BEEPER: EXP1.1 U2.66 | length 10.8
  Component Side w0.2: EXP1.1@9.973,2.41 8.75,3.633 8.75,5.4 9.73,6.38 12.848,6.38 14.848,8.38